# Altium PCB LJ_Mosfet_Power.PcbDoc (part 3 of 5)
Units mm, origin at the board's own origin, x right, y up, seen from the top; angles counter-clockwise.
Board outline 152.51 x 130.13 mm, 2 copper layers (Top Layer, Bottom Layer); 337 components, 193 nets, 1586 pads, 1491 vias.
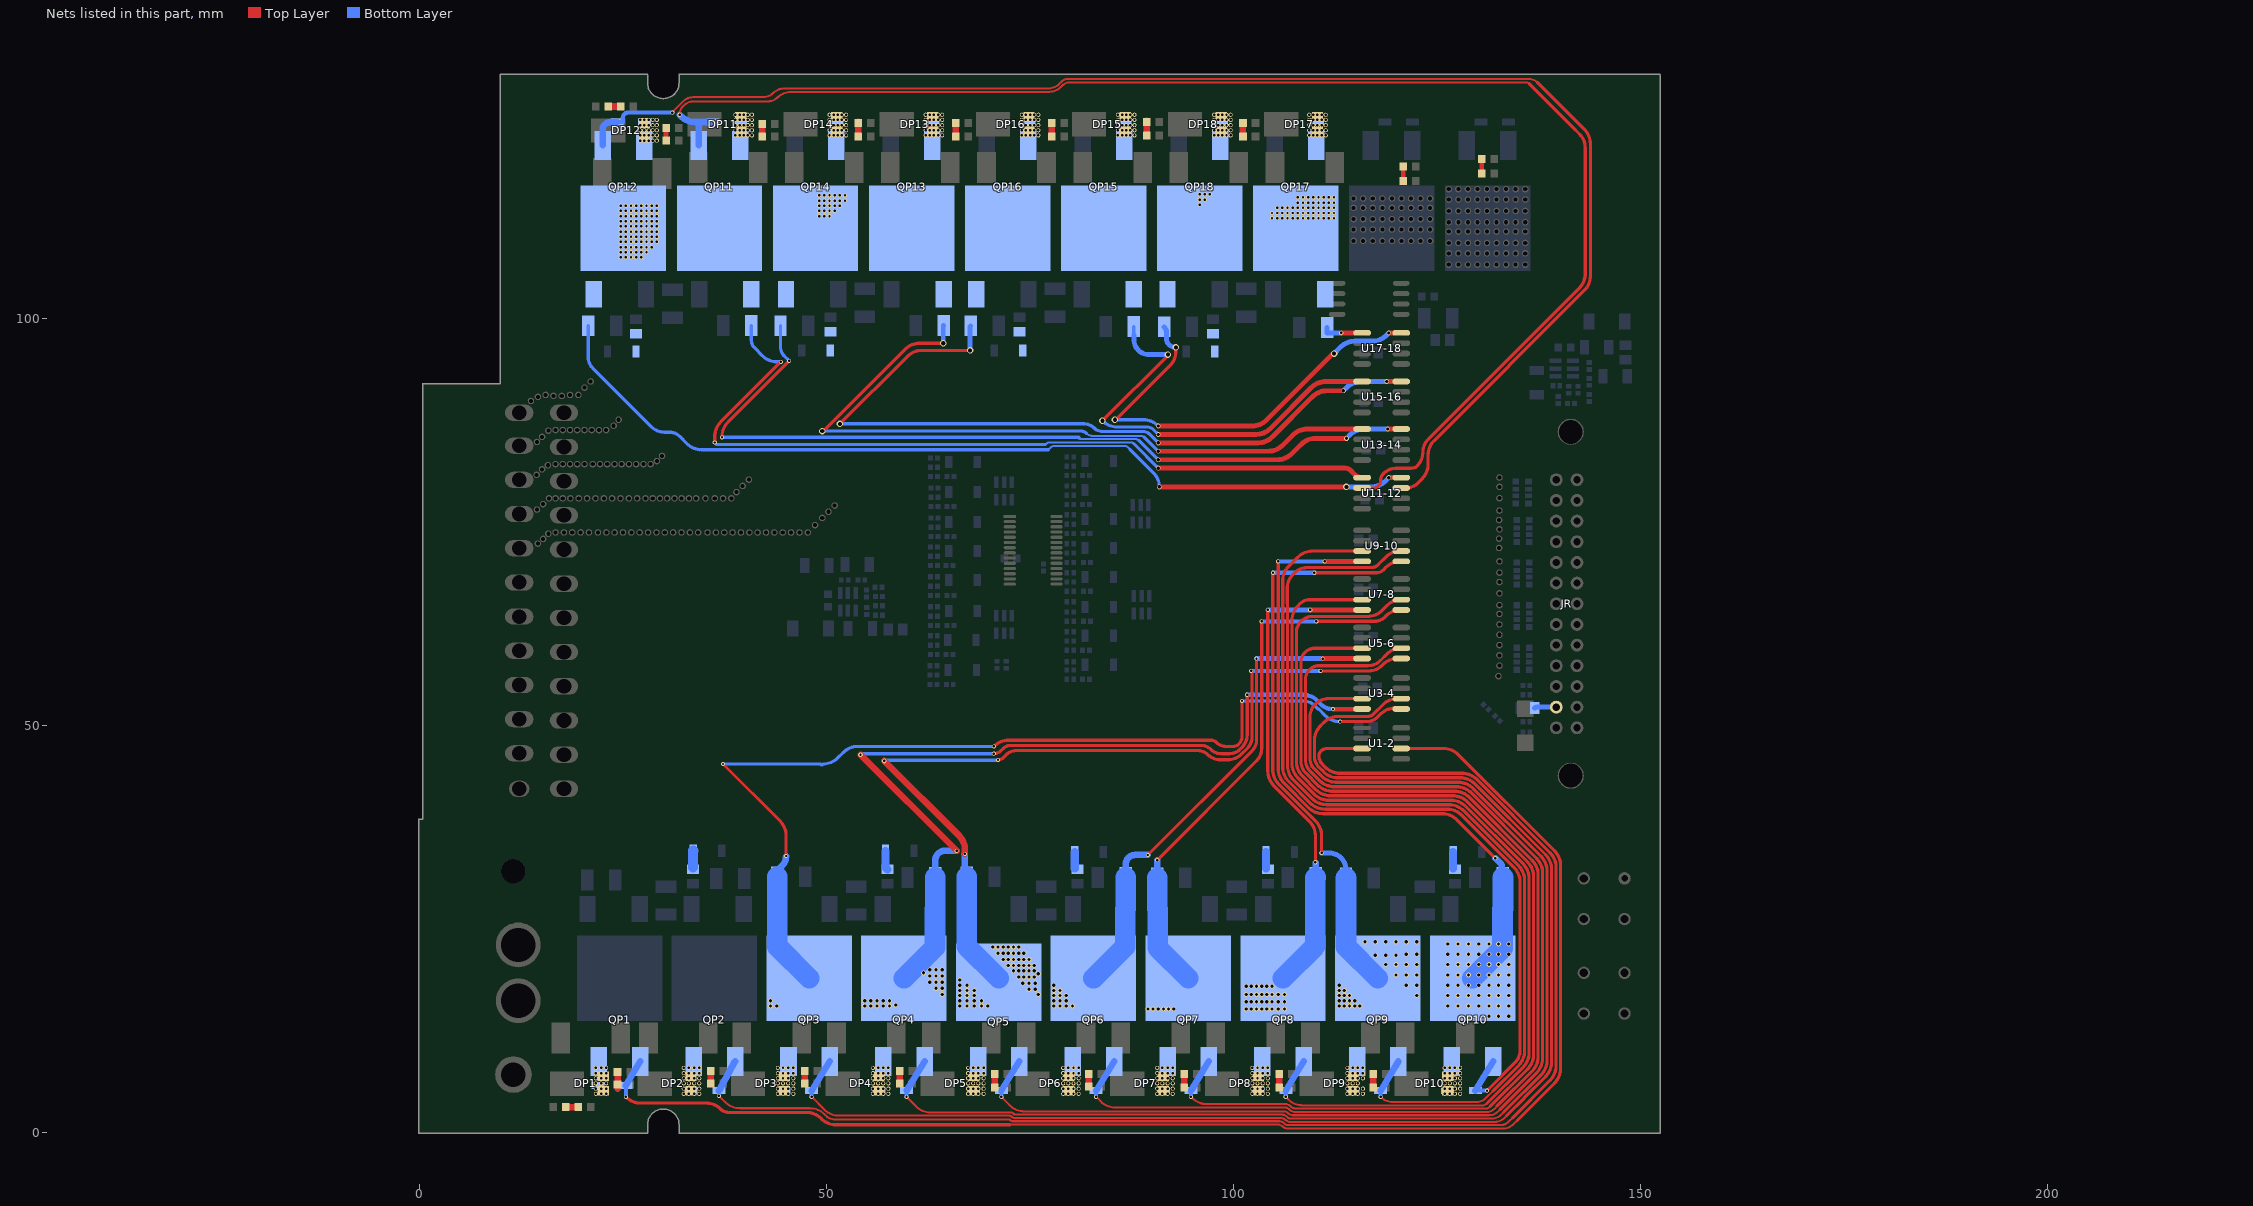
[diagram p3: the nets of this part, all layers, seen from the top]

## Via types
v1: diameter 0.5, hole 0.3, Top Layer to Bottom Layer, tented both sides, 758 vias
v2: diameter 0.6, hole 0.4, Top Layer to Bottom Layer, tented both sides, 698 vias
v3: diameter 0.8, hole 0.5, Top Layer to Bottom Layer, tented both sides, 22 vias
v4: diameter 0.6, hole 0.43, Top Layer to Bottom Layer, tented both sides, 8 vias
v5: diameter 0.5, hole 0.3, Top Layer to Bottom Layer, 3 vias
v6: diameter 0.6, hole 0.3, Top Layer to Bottom Layer, tented both sides, 2 vias

## Nets (pads, with @x,y where several pads share a name; then routed paths per layer and width w, separated by ;. In a path a pad name is that pad's centre, name@x,y a point inside that pad or via, vN(x,y) a via of type N, cw(c..) or ccw(c..) an arc to the next point about the centre after c; other vN are vias at no path point) (continued)
NetCQ3_1: CQ3.1 QP3.2 RQ3.1 U3-4.1 | length 122.2
  Top Layer w0.4: v1(37.338,45.323) 44.341,38.32 cw(c42.545,36.524) 45.085,36.524 v1(45.085,34.02) ; v1(70.612,47.482) 70.63,47.5 cw(c72.426,45.704) 72.426,48.244 97.304,48.244 cw(c97.304,47.377) 97.917,47.99 ccw(c99.143,49.216) 99.143,47.482 100.008,47.482 ccw(c100.008,48.477) 100.711,47.773 ; 100.711,47.774 ccw(c99.791,48.693) 101.092,48.693 v1(101.092,53.07) ; v1(113.157,50.53) 113.174,50.547 116.459,50.547 ccw(c116.459,52.332) 117.721,51.07 118.088,51.437 cw(c119.884,49.641) 118.13,51.478 cw(c119.884,49.641) 119.884,52.181 U3-4.1@120.555,52.181
  Bottom Layer w0.4: v1(37.338,45.323) 49.367,45.323 49.494,45.196 49.621,45.323 ccw(c49.621,47.863) 51.417,46.067 52.088,46.738 cw(c53.884,44.942) 53.617,47.468 cw(c53.884,44.942) 53.884,47.482 v1(70.612,47.482) ; v1(101.092,53.07) 108.585,53.07 cw(c108.585,50.914) 110.11,52.438 110.473,52.075 ; 110.49,52.092 111.308,51.274 ccw(c113.104,53.07) 113.104,50.53 v1(113.157,50.53)
  Bottom Layer w0.8: CQ3.1@44.018,31.455 44.018,32.242 44.582,32.806 ccw(c43.368,34.02) v1(45.085,34.02)
  Bottom Layer w2.54: CQ3.1@44.018,31.455 RQ3.1@44.019,27.487 44.019,22.903 QP3.2@47.921,19
  other v2: 43.18,15.605 43.942,15.605 43.18,16.24
NetCQ4_1: CQ4.1 QP4.2 RQ4.2 U3-4.8 | length 105.1
  Top Layer w0.4: v1(70.612,46.593) ccw(c70.612,47.819) 71.479,46.952 71.755,47.228 cw(c72.675,46.308) 72.675,47.609 96.056,47.609 cw(c96.056,45.875) 97.282,47.101 ccw(c98.508,48.327) 98.508,46.593 99.567,46.593 ccw(c99.567,48.391) 100.837,47.119 ccw(c99.567,48.391) 100.838,47.12 101.112,47.393 ccw(c99.626,48.879) 101.727,48.879 v1(101.727,53.832)
  Top Layer w0.6: v1(112.268,52.054) 115.773,52.054 ccw(c115.773,52.162) U3-4.8@115.85,52.086
  Top Layer w0.8: v6(54.229,46.466) v1(66.04,34.655)
  Bottom Layer w0.4: v6(54.229,46.466) 54.356,46.593 v1(70.612,46.593)
  Bottom Layer w0.5: v1(101.727,53.832) 108.613,53.832 cw(c108.613,51.447) 110.299,53.134 110.75,52.683 ccw(c112.268,54.2) v1(112.268,52.054)
  Bottom Layer w0.8: CQ4.1@63.424,31.378 63.424,33.484 cw(c64.595,33.484) 63.767,34.312 cw(c64.595,33.484) 64.595,34.655 v1(66.04,34.655)
  Bottom Layer w2.54: QP4.2@59.563,19 63.373,22.81 RQ4.2@63.373,27.487 63.424,27.538 CQ4.1@63.424,31.378
  other v2: 54.737,15.605 55.499,15.605 56.261,15.605 57.023,15.605 57.785,15.605 58.547,15.732 54.737,16.24 55.499,16.24 56.261,16.24 57.023,16.24 57.785,16.24 64.262,17.002 63.5,17.764 64.262,17.764 62.738,18.526 63.5,18.526 64.262,18.526 62.738,19.288 63.5,19.288 64.262,19.288 61.976,19.669 62.738,20.05 63.5,20.05 64.262,20.05
NetCQ5_1: CQ5.1 QP5.2 RQ5.1 U5-6.1 | length 106.8
  Top Layer w0.4: v1(71.12,45.831) ccw(c71.12,46.751) 71.77,46.1 72.136,46.466 cw(c73.362,45.24) 73.362,46.974 95.675,46.974 cw(c95.675,45.24) 96.901,46.466 ccw(c98.434,47.999) 98.434,45.831 99.278,45.831 ccw(c99.278,48.371) 101.074,46.575 101.727,47.228 ccw(c100.274,48.681) 102.329,48.681 102.329,56.626 v1(102.202,56.753) v1@102.202,56.786 ; v1(110.744,56.753) 116.704,56.753 ccw(c116.704,58.921) 118.237,57.388 118.382,57.533 cw(c120.178,55.737) 120.178,58.277 U5-6.1@120.65,58.277
  Top Layer w0.8: v6(57.15,45.704) 66.312,36.542 cw(c64.516,34.746) 67.056,34.746 v1(67.056,34.274)
  Bottom Layer w0.4: v6(57.15,45.704) 57.233,45.787 71.076,45.787 v1(71.12,45.831)
  Bottom Layer w0.5: v1(102.202,56.753) v1(110.744,56.753)
  Bottom Layer w0.8: v1(67.056,34.274) 67.056,31.658 CQ5.1@67.259,31.455
  Bottom Layer w2.54: CQ5.1@67.259,31.455 RQ5.1@67.26,27.487 67.26,22.945 QP5.2@71.205,19
  other v2: 66.421,15.605 67.31,15.605 68.199,15.605 69.088,15.605 69.85,15.605 66.421,16.24 67.31,16.24 68.199,16.24 69.088,16.24 66.421,16.875 67.31,16.875 68.199,16.875 76.073,17.002 66.421,17.51 67.31,17.51 68.199,17.51 74.93,17.637 75.692,17.637 66.421,18.145 67.31,18.145 74.168,18.399 74.93,18.399 75.692,18.399 66.421,18.78 73.66,19.161 74.295,19.161 74.93,19.161 75.565,19.161 76.073,19.542 73.025,19.923 73.66,19.923 74.295,19.923 74.93,19.923 75.565,19.923 72.39,20.558 73.025,20.558 73.66,20.558 74.295,20.558 74.93,20.558 75.565,20.558 71.755,21.32 72.39,21.32 73.025,21.32 73.66,21.32 74.295,21.32 74.93,21.32 71.12,22.082 71.755,22.082 72.39,22.082 73.025,22.082 73.66,22.082 74.295,22.082 70.485,22.844 71.12,22.844 71.755,22.844 72.39,22.844 73.025,22.844 73.66,22.844
NetCQ6_1: CQ6.1 QP6.2 RQ6.2 U5-6.8 | length 61.7
  Top Layer w0.4: v1(89.535,34.147) 102.362,46.974 ccw(c101.109,48.227) 102.881,48.227 102.881,58.266 v1(102.87,58.277)
  Top Layer w0.6: v1(110.998,58.277) 112.776,58.277 U5-6.8@115.85,58.277
  Bottom Layer w0.254: v1(110.998,58.277) v1@111.125,58.277
  Bottom Layer w0.6: v1(102.87,58.277) v1(110.998,58.277)
  Bottom Layer w0.8: CQ6.1@86.792,31.378 86.792,32.994 cw(c87.919,32.994) 87.122,33.791 cw(c87.98,32.933) 87.98,34.147 v1(89.535,34.147)
  Bottom Layer w2.54: QP6.2@82.846,19 86.741,22.895 RQ6.2@86.741,27.487 86.792,27.538 CQ6.1@86.792,31.378
  other v2: 77.978,15.605 78.74,15.605 79.502,15.605 80.264,15.605 77.978,16.24 78.74,16.24 79.502,16.24 77.978,16.875 78.74,16.875 79.502,16.875 77.978,17.51 78.74,17.51 77.978,18.145
NetCQ7_1: CQ7.1 QP7.2 RQ7.1 U7-8.1 | length 68.2
  Top Layer w0.4: v1(90.678,33.512) 102.876,45.71 ; 102.877,45.711 ccw(c101.359,47.228) 103.505,47.228 v1(103.505,62.849) ; v1(110.236,62.849) 117.392,62.849 ccw(c117.392,64.583) 118.618,63.357 118.763,63.502 cw(c120.559,61.706) 120.559,64.246 U7-8.1@120.65,64.246
  Bottom Layer w0.5: v1(103.505,62.849) v1(110.236,62.849)
  Bottom Layer w0.8: CQ7.1@90.678,31.353 v1(90.678,33.512)
  Bottom Layer w2.54: CQ7.1@90.678,31.353 90.678,27.564 RQ7.1@90.755,27.487 90.755,22.734 QP7.2@94.488,19
  other v2: 89.535,15.224 90.17,15.224 90.805,15.224 91.44,15.224 92.075,15.224 92.71,15.224
NetCQ8_1: CQ8.1 QP8.2 RQ8.2 U7-8.8 | length 60.7
  Top Layer w0.4: v1(104.267,64.246) 104.267,44.448 ccw(c106.807,44.448) 105.011,42.652 109.365,38.298 cw(c107.569,36.502) 110.109,36.502 v1(110.109,33.258)
  Top Layer w0.6: v1(109.474,64.246) U7-8.8@115.85,64.246
  Bottom Layer w0.254: v1(110.109,33.258) v1@110.16,33.207
  Bottom Layer w0.6: v1(104.267,64.246) v1(109.474,64.246)
  Bottom Layer w0.8: CQ8.1@110.16,31.378 v1@110.16,33.207
  Bottom Layer w2.54: QP8.2@106.13,19 110.109,22.979 RQ8.2@110.109,27.487 110.109,31.327 CQ8.1@110.16,31.378
  other v2: 101.6,15.224 102.235,15.224 102.87,15.224 103.505,15.224 104.14,15.224 104.775,15.224 105.537,15.224 106.299,15.224 101.6,16.113 102.235,16.113 102.87,16.113 103.505,16.113 104.14,16.113 104.775,16.113 105.537,16.113 106.299,16.113 101.6,17.002 102.235,17.002 102.87,17.002 103.505,17.002 104.14,17.002 104.775,17.002 105.537,17.002 106.299,17.002 101.6,18.018 102.235,18.018 102.87,18.018 103.505,18.018 104.14,18.018 104.775,18.018
NetCQ9_1: CQ9.1 QP9.2 RQ9.1 U9-10.1 | length 72
  Top Layer w0.4: v1(104.902,68.818) 104.869,68.785 104.869,44.627 ccw(c107.409,44.627) 105.613,42.831 110.127,38.316 cw(c108.331,36.52) 110.871,36.52 v1(110.871,34.401) ; v1(109.982,68.818) 117.571,68.818 ccw(c117.571,70.119) 118.491,69.199 118.763,69.471 cw(c120.559,67.675) 120.556,70.215 cw(c120.559,67.675) 120.559,70.215 U9-10.1@120.65,70.215
  Bottom Layer w0.5: v1(104.902,68.818) v1(109.982,68.818)
  Bottom Layer w0.6: v1(110.871,34.401) 111.787,34.401 cw(c111.787,32.32) 113.258,33.792 ; 113.259,33.791 cw(c111.787,32.32) 113.868,32.32 CQ9.1@113.868,31.328
  Bottom Layer w2.54: CQ9.1@113.868,31.328 RQ9.1@113.869,27.487 113.869,22.903 QP9.2@117.771,19
  other v2: 113.03,15.605 113.665,15.605 114.3,15.605 114.935,15.605 115.57,15.605 113.03,16.24 113.665,16.24 114.3,16.24 114.935,16.24 113.03,16.875 113.665,16.875 114.3,16.875 122.555,16.875 113.03,17.51 113.665,17.51 113.03,18.145 121.285,18.145 122.555,18.145 120.015,19.415 121.285,19.415 122.555,19.415 118.745,20.685 120.015,20.685 121.285,20.685 122.555,20.685 117.475,21.828 118.745,21.828 120.015,21.828 121.285,21.955 122.555,21.955 116.205,23.479 117.475,23.479 118.745,23.479 120.015,23.479 121.285,23.479 122.555,23.479
NetCQ10_1: CQ10.1 QP10.2 RQ10.2 U9-10.8 | length 84
  Top Layer w0.4: v1(105.537,70.215) 105.537,44.739 ccw(c108.077,44.739) 106.281,42.943 109.263,39.961 ccw(c111.059,41.757) 111.059,39.217 125.704,39.217 cw(c125.704,36.677) 127.5,38.473 v1(132.207,33.766)
  Top Layer w0.6: v1(111.252,70.215) U9-10.8@115.85,70.215
  Bottom Layer w0.5: v1(105.537,70.215) v1(111.252,70.215)
  Bottom Layer w0.8: v1(132.207,33.766) 132.842,33.131 cw(c132.42,32.709) 133.017,32.709 133.017,31.432 ccw(c133.147,31.562) CQ10.1@133.147,31.378
  Bottom Layer w2.54: QP10.2@129.413,19 133.096,22.683 RQ10.2@133.096,27.492 133.147,27.543 CQ10.1@133.147,31.378
  other v2: 131.445,14.335 132.588,14.335 133.858,14.335 126.365,15.605 127.635,15.605 128.905,15.605 130.175,15.605 131.445,15.605 132.588,15.605 133.858,15.605 126.365,16.875 127.635,16.875 128.905,16.875 130.175,16.875 131.445,16.875 132.588,16.875 133.858,16.875 126.365,18.145 127.635,18.145 128.905,18.145 130.175,18.145 131.445,18.145 132.588,18.145 133.858,18.145 126.365,19.415 127.635,19.415 128.905,19.415 130.175,19.415 131.445,19.415 132.588,19.415 133.858,19.415 126.365,20.685 127.635,20.685 128.905,20.685 130.175,20.685 131.445,20.685 132.588,20.685 133.858,20.685 126.365,21.955 127.635,21.955 128.905,21.955 130.175,21.955 131.445,21.955 132.588,21.955 133.858,21.955 126.365,23.225 127.635,23.225 128.905,23.225 130.175,23.225 131.445,23.225 132.588,23.225 133.858,23.225
NetCQ11_1: CQ11.1 QP11.2 RQ11.1 U11-12.1 | length 101.3
  Top Layer w0.4: v1(36.322,84.82) 36.322,85.546 cw(c38.862,85.546) 37.066,87.342 v1(44.45,94.726)
  Top Layer w0.6: v4(90.805,81.666) 113.763,81.666 cw(c113.763,80.727) 114.427,81.391 114.938,80.88 ccw(c115.85,81.791) 115.847,80.502 ccw(c115.85,81.791) U11-12.1@115.85,80.502
  Bottom Layer w0.254: 76.962,84.566 77.089,84.693 cw(c77.396,84.386) 77.396,84.82 87.471,84.82 cw(c87.471,84.386) 87.778,84.693
  Bottom Layer w0.4: v1(36.322,84.82) 36.576,84.566 76.962,84.566 ; CQ11.1@40.818,99.196 40.818,97.393 ccw(c42.167,97.393) 41.213,96.439 42.182,95.47 ccw(c43.978,97.266) 43.978,94.726 v1(44.45,94.726) ; 87.778,84.693 v4(90.805,81.666)
NetCQ12_1: CQ12.1 QP12.2 RQ12.2 U11-12.8 | length 111.6
  Top Layer w0.6: v4(90.932,79.359) v3(113.919,79.359) ; v2(119.126,80.502) U11-12.8@120.65,80.502
  Bottom Layer w0.254: 77.301,83.931 77.576,84.206 ; 77.576,84.207 cw(c78.068,83.714) 78.068,84.41 86.614,84.41 cw(c86.614,83.727) 87.097,84.21 87.376,83.931
  Bottom Layer w0.4: CQ12.1@20.777,99.146 20.777,95.313 ccw(c22.685,95.313) 21.336,93.964 28.581,86.719 ; 28.582,86.718 ccw(c30.099,88.236) 29.086,86.344 ccw(c30.099,88.236) 30.099,86.09 30.778,86.09 cw(c30.778,84.356) 32.004,85.582 32.911,84.675 ccw(c34.707,86.471) 34.707,83.931 77.301,83.931 ; 87.376,83.931 90.214,81.093 cw(c88.479,79.359) v4(90.932,79.359)
  Bottom Layer w0.6: v3(113.919,79.359) 116.931,79.359 ccw(c116.931,81.899) 118.727,80.103 v2(119.126,80.502)
  other v1: 24.765,107.553 25.4,107.553 26.035,107.553 26.67,107.553 27.305,107.553 24.765,108.188 25.4,108.188 26.035,108.188 26.67,108.188 27.305,108.188 27.94,108.188 24.765,108.823 25.4,108.823 26.035,108.823 26.67,108.823 27.305,108.823 27.94,108.823 28.575,108.823 24.765,109.458 25.4,109.458 26.035,109.458 26.67,109.458 27.305,109.458 27.94,109.458 28.575,109.458 29.21,109.458 24.765,110.093 25.4,110.093 26.035,110.093 26.67,110.093 27.305,110.093 27.94,110.093 28.575,110.093 29.21,110.093 24.765,110.728 25.4,110.728 26.035,110.728 26.67,110.728 27.305,110.728 27.94,110.728 28.575,110.728 29.21,110.728 24.765,111.363 25.4,111.363 26.035,111.363 26.67,111.363 27.305,111.363 27.94,111.363 28.575,111.363 29.21,111.363 24.765,111.998 25.4,111.998 26.035,111.998 26.67,111.998 27.305,111.998 27.94,111.998 28.575,111.998 29.21,111.998 24.765,112.633 25.4,112.633 26.035,112.633 26.67,112.633 27.305,112.633 27.94,112.633 28.575,112.633 29.21,112.633 24.765,113.268 25.4,113.268 26.035,113.268 26.67,113.268 27.305,113.268 27.94,113.268 28.575,113.268 29.21,113.268 24.765,113.903 25.4,113.903 26.035,113.903 26.67,113.903 27.305,113.903 27.94,113.903 28.575,113.903 29.21,113.903
NetCQ13_1: CQ13.1 QP13.2 RQ13.1 U13-14.1 | length 89.6
  Top Layer w0.4: v3(49.53,86.217) 49.657,86.217 59.708,96.268 cw(c61.504,94.472) 61.504,97.012 v3(64.389,97.012)
  Top Layer w0.6: v2(90.805,83.739) 104.293,83.739 ccw(c104.293,86.279) 106.089,84.483 107.333,85.727 cw(c109.129,83.931) 109.129,86.471 U13-14.1@115.85,86.471
  Bottom Layer w0.254: 81.967,85.961 ccw(c82.761,86.755) 82.761,85.632 88.662,85.632 cw(c88.662,85.028) 89.089,85.455
  Bottom Layer w0.4: v3(49.53,86.217) 81.349,86.217 cw(c81.349,85.343) 81.966,85.962 ; 89.089,85.455 v2(90.805,83.739)
  Bottom Layer w0.6: v3(64.389,97.012) 64.389,99.146 CQ13.1@64.44,99.196
NetCQ14_1: CQ14.1 QP14.2 RQ14.2 U13-14.8 | length 103.2
  Top Layer w0.4: v1(37.211,85.455) 37.211,85.546 cw(c39.751,85.546) 37.955,87.342 v1(45.466,94.853)
  Top Layer w0.6: v4(90.805,82.703) 105.416,82.703 ccw(c105.416,85.243) 107.212,83.447 108.349,84.584 cw(c110.145,82.788) 110.145,85.328 v2(113.919,85.328) ; v2(118.999,86.471) U13-14.8@120.65,86.471
  Bottom Layer w0.254: 81.182,85.299 81.255,85.226 88.067,85.226 cw(c88.067,84.707) 88.434,85.074
  Bottom Layer w0.4: v1(37.211,85.455) 81.026,85.455 81.182,85.299 ; CQ14.1@44.399,99.146 44.399,96.53 ccw(c45.873,96.53) 44.83,95.489 ; 44.831,95.488 v1(45.466,94.853) ; 88.434,85.074 v4(90.805,82.703)
  Bottom Layer w0.6: v2(113.919,85.328) 114.318,85.727 cw(c116.114,83.931) 116.114,86.471 v2(118.999,86.471)
  other v1: 49.149,112.633 49.784,112.633 50.419,112.633 49.149,113.268 49.784,113.268 50.419,113.268 51.054,113.268 49.149,113.903 49.784,113.903 50.419,113.903 51.054,113.903 51.689,113.903 49.149,114.538 49.784,114.538 50.419,114.538 51.054,114.538 51.689,114.538 52.324,114.538 49.149,115.173 49.784,115.173 50.419,115.173 51.054,115.173 51.689,115.173 52.324,115.173
NetCQ15_1: CQ15.1 QP15.2 RQ15.1 U15-16.1 | length 53.3
  Top Layer w0.4: v3(83.947,87.487) 92.075,95.615 v3(91.984,95.615)
  Top Layer w0.6: v2(90.805,85.813) 102.811,85.813 ccw(c102.811,88.353) 104.607,86.557 109.619,91.569 cw(c111.415,89.773) 111.415,92.313 U15-16.1@115.85,92.313
  Bottom Layer w0.4: v3(83.947,87.487) 83.965,87.469 ccw(c85.761,89.265) 85.761,86.725 89.427,86.725 cw(c89.427,85.6) 90.223,86.396 v2(90.805,85.813) ; CQ15.1@87.808,98.028 CQ15.1@87.808,99.069
  Bottom Layer w0.6: CQ15.1@87.808,98.028 87.808,97.493 ccw(c89.705,97.493) 88.362,96.153 ccw(c89.705,97.493) 88.364,96.151 ccw(c89.66,97.449) 89.66,95.615 v3(91.984,95.615)
NetCQ16_1: CQ16.1 QP16.2 RQ16.2 U15-16.8 | length 95.2
  Top Layer w0.4: v3(51.689,87.106) 59.962,95.379 cw(c61.758,93.583) 61.758,96.123 v3(67.691,96.123)
  Top Layer w0.6: v2(90.805,84.776) 103.044,84.776 ccw(c103.044,87.316) 104.84,85.52 109.746,90.426 cw(c111.542,88.63) 111.542,91.17 v2(113.538,91.17) ; v2(118.872,92.313) U15-16.8@120.65,92.313
  Bottom Layer w0.4: v3(51.689,87.106) 81.705,87.106 cw(c81.705,85.372) 82.931,86.598 ; 82.932,86.597 ccw(c83.957,87.624) 83.957,86.173 88.9,86.173 cw(c88.9,84.946) 89.768,85.814 v2(90.805,84.776)
  Bottom Layer w0.6: v3(67.691,96.123) 67.691,99.069 CQ16.1@67.767,99.146 ; v2(113.538,91.17) 113.937,91.569 cw(c115.733,89.773) 115.733,92.313 v2(118.872,92.313)
NetCQ17_1: CQ17.1 QP17.2 RQ17.1 U17-18.1 | length 5
  Top Layer w0.6: v1(113.284,98.282) U17-18.1@115.85,98.282
  Bottom Layer w0.6: CQ17.1@111.557,98.942 111.557,98.282 v1(113.284,98.282)
  other v1: 104.775,112.379 105.41,112.379 106.045,112.379 106.68,112.379 107.315,112.379 107.95,112.379 108.585,112.379 109.22,112.379 109.855,112.379 110.49,112.379 111.125,112.379 111.76,112.379 112.395,112.379 104.775,113.014 105.41,113.014 106.045,113.014 106.68,113.014 107.315,113.014 107.95,113.014 108.585,113.014 109.22,113.014 109.855,113.014 110.49,113.014 111.125,113.014 111.76,113.014 112.395,113.014 105.41,113.649 106.045,113.649 106.68,113.649 107.315,113.649 107.95,113.649 108.585,113.649 109.22,113.649 109.855,113.649 110.49,113.649 111.125,113.649 111.76,113.649 112.395,113.649 107.95,114.284 108.585,114.284 109.22,114.284 109.855,114.284 110.49,114.284 111.125,114.284 111.76,114.284 112.395,114.284 107.95,114.919 108.585,114.919 109.22,114.919 109.855,114.919 110.49,114.919 111.125,114.919 111.76,114.919 112.395,114.919
NetCQ18_1: CQ18.1 QP18.2 RQ18.2 U17-18.8 | length 55.6
  Top Layer w0.4: v3(85.471,87.614) 85.598,87.614 92.22,94.236 ccw(c90.424,96.032) 92.964,96.032 v3(92.964,96.504)
  Top Layer w0.6: v2(90.807,86.85) 102.324,86.85 ccw(c102.324,89.39) 104.12,87.594 112.178,95.652 cw(c112.395,95.435) v3(112.395,95.742) ; v2(119.126,98.282) U17-18.8@120.65,98.282
  Bottom Layer w0.4: v3(85.471,87.614) 88.991,87.614 cw(c88.991,85.074) 90.787,86.87 v2(90.807,86.85) ; CQ18.1@91.516,99.019 CQ18.1@91.948,98.587
  Bottom Layer w0.6: CQ18.1@91.516,99.019 cw(c90.78,98.283) 91.821,98.283 91.821,97.52 ccw(c92.741,97.52) 92.089,96.871 ccw(c92.741,97.52) 92.09,96.87 92.097,96.863 ccw(c92.964,97.73) v3(92.964,96.504) ; v3(112.395,95.742) 113.175,96.522 cw(c114.971,94.726) 114.971,97.266 117.058,97.266 ccw(c117.058,99.806) 118.854,98.01 v2(119.126,98.282)
  other v1: 95.885,114.03 95.885,114.665 96.52,114.665 95.885,115.3 96.52,115.3 97.155,115.3
NetD1-2_2: D1-2.2 R1-2.2 | length 2
  Bottom Layer w1.27: R1-2.2@33.655,32.623 33.655,34.627 D1-2.2@33.683,34.655
NetD3-4_2: D3-4.2 R3-4.2 | length 2.4
  Bottom Layer w1: D3-4.2@57.305,34.655 57.305,32.596 R3-4.2@57.531,32.37
NetD5-6_2: D5-6.2 R5-6.2 | length 2.1
  Bottom Layer w1: R5-6.2@80.546,32.469 D5-6.2@80.546,34.528
NetD7-8_2: D7-8.2 R7-8.2 | length 2.1
  Bottom Layer w1: R7-8.2@104.041,32.469 D7-8.2@104.041,34.528
NetD9-10_2: D9-10.2 R9-10.2 | length 2.1
  Bottom Layer w1: R9-10.2@127.028,32.469 D9-10.2@127.028,34.528
NetD11-12_2: D11-12.2 R11-12.2
NetD13-14_2: D13-14.2 R13-14.2
NetD15-16_2: D15-16.2 R15-16.2
NetD17-18_2: D17-18.2 R17-18.2
NetDP1_1: DP1.1 pad.2@21.717,4.81 pad.2@21.717,5.445 pad.2@21.717,6.08 pad.2@21.717,6.715 pad.2@21.717,7.35 pad.2@21.717,7.985 pad.2@22.352,4.81 pad.2@22.352,5.445 pad.2@22.352,6.08 pad.2@22.352,6.715 pad.2@22.352,7.35 pad.2@22.352,7.985 pad.2@22.987,4.81 pad.2@22.987,5.445 pad.2@22.987,6.08 pad.2@22.987,6.715 pad.2@22.987,7.35 pad.2@22.987,7.985 QP1.3 ZD1.1
NetDP2_1: DP2.1 pad.2@32.512,4.81 pad.2@32.512,5.445 pad.2@32.512,6.08 pad.2@32.512,6.715 pad.2@32.512,7.35 pad.2@32.512,7.985 pad.2@33.147,4.81 pad.2@33.147,5.445 pad.2@33.147,6.08 pad.2@33.147,6.715 pad.2@33.147,7.35 pad.2@33.147,7.985 pad.2@33.782,4.81 pad.2@33.782,5.445 pad.2@33.782,6.08 pad.2@33.782,6.715 pad.2@33.782,7.35 pad.2@33.782,7.985 pad.2@34.417,4.81 pad.2@34.417,5.445 pad.2@34.417,6.08 pad.2@34.417,6.715 pad.2@34.417,7.35 pad.2@34.417,7.985 QP2.3 ZD2.1
NetDP3_1: DP3.1 pad.2@44.069,4.81 pad.2@44.069,5.445 pad.2@44.069,6.08 pad.2@44.069,6.715 pad.2@44.069,7.35 pad.2@44.069,7.985 pad.2@44.704,4.81 pad.2@44.704,5.445 pad.2@44.704,6.08 pad.2@44.704,6.715 pad.2@44.704,7.35 pad.2@44.704,7.985 pad.2@45.339,4.81 pad.2@45.339,5.445 pad.2@45.339,6.08 pad.2@45.339,6.715 pad.2@45.339,7.35 pad.2@45.339,7.985 pad.2@45.974,4.81 pad.2@45.974,5.445 pad.2@45.974,6.08 pad.2@45.974,6.715 pad.2@45.974,7.35 pad.2@45.974,7.985 QP3.3 ZD3.1
NetDP4_1: DP4.1 pad.2@55.753,4.81 pad.2@55.753,5.445 pad.2@55.753,6.08 pad.2@55.753,6.715 pad.2@55.753,7.35 pad.2@55.753,7.985 pad.2@56.388,4.81 pad.2@56.388,5.445 pad.2@56.388,6.08 pad.2@56.388,6.715 pad.2@56.388,7.35 pad.2@56.388,7.985 pad.2@57.023,4.81 pad.2@57.023,5.445 pad.2@57.023,6.08 pad.2@57.023,6.715 pad.2@57.023,7.35 pad.2@57.023,7.985 pad.2@57.658,4.81 pad.2@57.658,5.445 pad.2@57.658,6.08 pad.2@57.658,6.715 pad.2@57.658,7.35 pad.2@57.658,7.985 QP4.3 ZD4.1
NetDP5_1: DP5.1 pad.2@67.437,4.81 pad.2@67.437,5.445 pad.2@67.437,6.08 pad.2@67.437,6.715 pad.2@67.437,7.35 pad.2@67.437,7.985 pad.2@68.072,4.81 pad.2@68.072,5.445 pad.2@68.072,6.08 pad.2@68.072,6.715 pad.2@68.072,7.35 pad.2@68.072,7.985 pad.2@68.707,4.81 pad.2@68.707,5.445 pad.2@68.707,6.08 pad.2@68.707,6.715 pad.2@68.707,7.35 pad.2@68.707,7.985 pad.2@69.342,4.81 pad.2@69.342,5.445 pad.2@69.342,6.08 pad.2@69.342,6.715 pad.2@69.342,7.35 pad.2@69.342,7.985 QP5.3 ZD5.1
NetDP6_1: DP6.1 pad.2@79.121,4.81 pad.2@79.121,5.445 pad.2@79.121,6.08 pad.2@79.121,6.715 pad.2@79.121,7.35 pad.2@79.121,7.985 pad.2@79.756,4.81 pad.2@79.756,5.445 pad.2@79.756,6.08 pad.2@79.756,6.715 pad.2@79.756,7.35 pad.2@79.756,7.985 pad.2@80.391,4.81 pad.2@80.391,5.445 pad.2@80.391,6.08 pad.2@80.391,6.715 pad.2@80.391,7.35 pad.2@80.391,7.985 pad.2@81.026,4.81 pad.2@81.026,5.445 pad.2@81.026,6.08 pad.2@81.026,6.715 pad.2@81.026,7.35 pad.2@81.026,7.985 QP6.3 ZD6.1
NetDP7_1: DP7.1 pad.2@90.678,4.81 pad.2@90.678,5.445 pad.2@90.678,6.08 pad.2@90.678,6.715 pad.2@90.678,7.35 pad.2@90.678,7.985 pad.2@91.313,4.81 pad.2@91.313,5.445 pad.2@91.313,6.08 pad.2@91.313,6.715 pad.2@91.313,7.35 pad.2@91.313,7.985 pad.2@91.948,4.81 pad.2@91.948,5.445 pad.2@91.948,6.08 pad.2@91.948,6.715 pad.2@91.948,7.35 pad.2@91.948,7.985 pad.2@92.583,4.81 pad.2@92.583,5.445 pad.2@92.583,6.08 pad.2@92.583,6.715 pad.2@92.583,7.35 pad.2@92.583,7.985 QP7.3 ZD7.1
NetDP8_1: DP8.1 pad.2@102.362,4.81 pad.2@102.362,5.445 pad.2@102.362,6.08 pad.2@102.362,6.715 pad.2@102.362,7.35 pad.2@102.362,7.985 pad.2@102.997,4.81 pad.2@102.997,5.445 pad.2@102.997,6.08 pad.2@102.997,6.715 pad.2@102.997,7.35 pad.2@102.997,7.985 pad.2@103.632,4.81 pad.2@103.632,5.445 pad.2@103.632,6.08 pad.2@103.632,6.715 pad.2@103.632,7.35 pad.2@103.632,7.985 pad.2@104.267,4.81 pad.2@104.267,5.445 pad.2@104.267,6.08 pad.2@104.267,6.715 pad.2@104.267,7.35 pad.2@104.267,7.985 QP8.3 ZD8.1
NetDP9_1: DP9.1 pad.2@114.046,4.81 pad.2@114.046,5.445 pad.2@114.046,6.08 pad.2@114.046,6.715 pad.2@114.046,7.35 pad.2@114.046,7.985 pad.2@114.681,4.81 pad.2@114.681,5.445 pad.2@114.681,6.08 pad.2@114.681,6.715 pad.2@114.681,7.35 pad.2@114.681,7.985 pad.2@115.316,4.81 pad.2@115.316,5.445 pad.2@115.316,6.08 pad.2@115.316,6.715 pad.2@115.316,7.35 pad.2@115.316,7.985 pad.2@115.951,4.81 pad.2@115.951,5.445 pad.2@115.951,6.715 pad.2@115.951,7.35 pad.2@115.951,7.985 QP9.3 ZD9.1
NetDP10_1: DP10.1 pad.2@125.984,4.81 pad.2@125.984,5.445 pad.2@125.984,6.08 pad.2@125.984,6.715 pad.2@125.984,7.35 pad.2@125.984,7.985 pad.2@126.619,4.81 pad.2@126.619,5.445 pad.2@126.619,6.08 pad.2@126.619,6.715 pad.2@126.619,7.35 pad.2@126.619,7.985 pad.2@127.254,4.81 pad.2@127.254,5.445 pad.2@127.254,6.08 pad.2@127.254,6.715 pad.2@127.254,7.35 pad.2@127.254,7.985 pad.2@127.889,4.81 pad.2@127.889,5.445 pad.2@127.889,6.08 pad.2@127.889,6.715 pad.2@127.889,7.35 pad.2@127.889,7.985 QP10.3 ZD10.1
NetDP11_1: DP11.1 pad.3@38.862,122.539 pad.3@38.862,123.174 pad.3@38.862,123.809 pad.3@38.862,124.444 pad.3@38.862,125.079 pad.3@39.37,122.539 pad.3@39.37,123.174 pad.3@39.37,123.809 pad.3@39.37,124.444 pad.3@39.37,125.079 pad.3@39.878,122.539 pad.3@39.878,123.174 pad.3@39.878,123.809 pad.3@39.878,124.444 pad.3@39.878,125.079 pad.3@40.386,122.539 pad.3@40.386,123.174 pad.3@40.386,123.809 pad.3@40.386,124.444 pad.3@40.386,125.079 pad.3@40.894,122.539 pad.3@40.894,123.174 pad.3@40.894,123.809 pad.3@40.894,124.444 pad.3@40.894,125.079 QP11.3 ZD11.1
NetDP12_1: DP12.1 pad.3@27.178,121.904 pad.3@27.178,122.539 pad.3@27.178,123.174 pad.3@27.178,123.809 pad.3@27.178,124.444 pad.3@27.686,121.904 pad.3@27.686,122.539 pad.3@27.686,123.174 pad.3@27.686,123.809 pad.3@27.686,124.444 pad.3@28.194,121.904 pad.3@28.194,122.539 pad.3@28.194,123.174 pad.3@28.194,123.809 pad.3@28.194,124.444 pad.3@28.702,121.904 pad.3@28.702,122.539 pad.3@28.702,123.174 pad.3@28.702,123.809 pad.3@28.702,124.444 pad.3@29.21,121.904 pad.3@29.21,122.539 pad.3@29.21,123.174 pad.3@29.21,123.809 pad.3@29.21,124.444 QP12.3 ZD12.1
NetDP13_1: DP13.1 pad.3@62.23,122.539 pad.3@62.23,123.174 pad.3@62.23,123.809 pad.3@62.23,124.444 pad.3@62.23,125.079 pad.3@62.738,122.539 pad.3@62.738,123.174 pad.3@62.738,123.809 pad.3@62.738,124.444 pad.3@62.738,125.079 pad.3@63.246,122.539 pad.3@63.246,123.174 pad.3@63.246,123.809 pad.3@63.246,124.444 pad.3@63.246,125.079 pad.3@63.754,122.539 pad.3@63.754,123.174 pad.3@63.754,123.809 pad.3@63.754,124.444 pad.3@63.754,125.079 pad.3@64.262,122.539 pad.3@64.262,123.174 pad.3@64.262,123.809 pad.3@64.262,124.444 pad.3@64.262,125.079 QP13.3 ZD13.1
NetDP14_1: DP14.1 pad.3@50.419,122.539 pad.3@50.419,123.174 pad.3@50.419,123.809 pad.3@50.419,124.444 pad.3@50.419,125.079 pad.3@50.927,122.539 pad.3@50.927,123.174 pad.3@50.927,123.809 pad.3@50.927,124.444 pad.3@50.927,125.079 pad.3@51.435,122.539 pad.3@51.435,123.174 pad.3@51.435,123.809 pad.3@51.435,124.444 pad.3@51.435,125.079 pad.3@51.943,122.539 pad.3@51.943,123.174 pad.3@51.943,123.809 pad.3@51.943,124.444 pad.3@51.943,125.079 pad.3@52.451,122.539 pad.3@52.451,123.174 pad.3@52.451,123.809 pad.3@52.451,124.444 pad.3@52.451,125.079 QP14.3 ZD14.1
NetDP15_1: DP15.1 pad.3@85.852,122.539 pad.3@85.852,123.174 pad.3@85.852,123.809 pad.3@85.852,124.444 pad.3@85.852,125.079 pad.3@86.36,122.539 pad.3@86.36,123.174 pad.3@86.36,123.809 pad.3@86.36,124.444 pad.3@86.36,125.079 pad.3@86.868,122.539 pad.3@86.868,123.174 pad.3@86.868,123.809 pad.3@86.868,124.444 pad.3@86.868,125.079 pad.3@87.376,122.539 pad.3@87.376,123.174 pad.3@87.376,123.809 pad.3@87.376,124.444 pad.3@87.376,125.079 pad.3@87.884,122.539 pad.3@87.884,123.174 pad.3@87.884,123.809 pad.3@87.884,124.444 pad.3@87.884,125.079 QP15.3 ZD15.1
NetDP16_1: DP16.1 pad.3@74.041,122.539 pad.3@74.041,123.174 pad.3@74.041,123.809 pad.3@74.041,124.444 pad.3@74.041,125.079 pad.3@74.549,122.539 pad.3@74.549,123.174 pad.3@74.549,123.809 pad.3@74.549,124.444 pad.3@74.549,125.079 pad.3@75.057,122.539 pad.3@75.057,123.174 pad.3@75.057,123.809 pad.3@75.057,124.444 pad.3@75.057,125.079 pad.3@75.565,122.539 pad.3@75.565,123.174 pad.3@75.565,123.809 pad.3@75.565,124.444 pad.3@75.565,125.079 pad.3@76.073,122.539 pad.3@76.073,123.174 pad.3@76.073,123.809 pad.3@76.073,124.444 pad.3@76.073,125.079 QP16.3 ZD16.1
NetDP17_1: DP17.1 pad.3@109.347,122.539 pad.3@109.347,123.174 pad.3@109.347,123.809 pad.3@109.347,124.444 pad.3@109.347,125.079 pad.3@109.855,122.539 pad.3@109.855,123.174 pad.3@109.855,123.809 pad.3@109.855,124.444 pad.3@109.855,125.079 pad.3@110.363,122.539 pad.3@110.363,123.174 pad.3@110.363,123.809 pad.3@110.363,124.444 pad.3@110.363,125.079 pad.3@110.871,122.539 pad.3@110.871,123.174 pad.3@110.871,123.809 pad.3@110.871,124.444 pad.3@110.871,125.079 pad.3@111.379,122.539 pad.3@111.379,123.174 pad.3@111.379,123.809 pad.3@111.379,124.444 pad.3@111.379,125.079 QP17.3 ZD17.1
NetDP18_1: DP18.1 pad.3@97.663,122.539 pad.3@97.663,123.174 pad.3@97.663,123.809 pad.3@97.663,124.444 pad.3@97.663,125.079 pad.3@98.171,122.539 pad.3@98.171,123.174 pad.3@98.171,123.809 pad.3@98.171,124.444 pad.3@98.171,125.079 pad.3@98.679,122.539 pad.3@98.679,123.174 pad.3@98.679,123.809 pad.3@98.679,124.444 pad.3@98.679,125.079 pad.3@99.187,122.539 pad.3@99.187,123.174 pad.3@99.187,123.809 pad.3@99.187,124.444 pad.3@99.187,125.079 pad.3@99.695,122.539 pad.3@99.695,123.174 pad.3@99.695,123.809 pad.3@99.695,124.444 pad.3@99.695,125.079 QP18.3 ZD18.1
NetJR_23: JR.23 R_J5V.2 | length 2.7
  Bottom Layer w0.6: R_J5V.2@137.034,52.181 cw(c137.341,51.874) 137.341,52.308 JR.23@139.7,52.308
NetLED_01_A: LED_01.A RL_01.1 | length 1.5
  Top Layer w0.8: RL_01.1@18.042,3.159 LED_01.A@19.55,3.159
NetLED_02_A: LED_02.A RL_02.1 | length 1.8
  Top Layer w0.8: 24.376,5.445 LED_02.A@24.376,7.223
NetLED_03_A: LED_03.A RL_03.1 | length 1.1
  Top Layer w0.8: RL_03.1@35.806,6.08 LED_03.A@35.806,7.223
NetLED_04_A: LED_04.A RL_04.1 | length 1.5
  Top Layer w0.8: RL_04.1@47.363,6.08 LED_04.A@47.363,7.604
NetLED_05_A: LED_05.A RL_05.1 | length 1.5
  Top Layer w0.8: RL_05.1@59.047,6.08 LED_05.A@59.047,7.604
NetLED_06_A: LED_06.A RL_06.1 | length 1.7
  Top Layer w0.8: RL_06.1@70.731,5.572 LED_06.A@70.731,7.223
NetLED_07_A: LED_07.A RL_07.1 | length 1.5
  Top Layer w0.8: RL_07.1@82.288,5.699 LED_07.A@82.288,7.223
NetLED_08_A: LED_08.A RL_08.1 | length 1.7
  Top Layer w0.8: RL_08.1@93.972,5.572 LED_08.A@93.972,7.223
NetLED_09_A: LED_09.A RL_09.1 | length 1.7
  Top Layer w0.8: RL_09.1@105.656,5.572 LED_09.A@105.656,7.223
NetLED_10_A: LED_10.A RL_10.1 | length 1.7
  Top Layer w0.8: RL_10.1@117.213,5.572 LED_10.A@117.213,7.223
NetLED_11_A: LED_11.A RL_11.1 | length 1.5
  Top Layer w0.6: LED_11.A@30.345,121.904 RL_11.1@30.345,123.428
NetLED_12_A: LED_12.A RL_12.1 | length 1.5
  Top Layer w0.8: RL_12.1@23.249,126.095 LED_12.A@24.757,126.095
NetLED_13_A: LED_13.A RL_13.1 | length 1.7
  Top Layer w0.8: LED_13.A@53.967,122.539 RL_13.1@53.967,124.063 RL_13.1@53.967,124.19
NetLED_14_A: LED_14.A RL_14.1 | length 1.4
  Top Layer w0.8: LED_14.A@42.156,122.539 RL_14.1@42.156,123.936
NetLED_15_A: LED_15.A RL_15.1 | length 1.4
  Top Layer w0.8: LED_15.A@77.716,122.666 RL_15.1@77.716,124.063
NetLED_16_A: LED_16.A RL_16.1 | length 1.4
  Top Layer w0.8: LED_16.A@65.905,122.666 RL_16.1@65.905,124.063
NetLED_17_A: LED_17.A RL_17.1 | length 1.4
  Top Layer w0.8: LED_17.A@101.211,122.666 RL_17.1@101.211,124.063
NetLED_18_A: LED_18.A RL_18.1 | length 1.7
  Top Layer w0.8: LED_18.A@89.4,122.666 RL_18.1@89.4,124.19 RL_18.1@89.4,124.317
NetLED_19_A: LED_19.A RL_19.1 | length 1.8
  Top Layer w0.6: RL_19.1@120.888,118.729 120.896,118.721 LED_19.A@120.896,116.951
NetLED_20_A: LED_20.A RL_20.1 | length 1.8
  Top Layer w0.6: LED_20.A@130.548,117.84 RL_20.1@130.548,119.618
NetQP1_1: QP1.1 U1-2.2 ZD1.2 | length 175.1
  Top Layer w0.254: 72.632,1.027 105.512,1.027 cw(c105.512,0.206) 106.092,0.787 ; 106.093,0.786 ccw(c106.673,1.367) 106.673,0.546 133.187,0.546 ccw(c133.187,2.297) 134.424,1.058 134.938,1.572
  Top Layer w0.4: v1(25.4,4.429) 25.418,4.411 ccw(c27.214,6.207) 27.214,3.667 35.27,3.667 cw(c35.27,1.127) 37.066,2.923 ccw(c38.029,3.886) 38.029,2.524 47.589,2.524 cw(c47.589,-0.016) 49.385,1.78 49.421,1.744 ccw(c51.217,3.54) 51.217,1 72.567,1 ccw(c72.567,1.092) 72.589,1.003 ; U1-2.2@120.65,47.228 125.862,47.228 cw(c125.862,44.688) 127.658,46.484 139.479,34.663 cw(c137.683,32.867) 140.223,32.867 140.223,7.909 cw(c137.683,7.909) 139.479,6.113 134.938,1.572
  Bottom Layer w0.5: v1(25.4,4.429) ZD1.2@25.4,5.826
  Bottom Layer w0.8: ZD1.2@25.4,5.826 QP1.1@27.178,8.8
NetQP2_1: QP2.1 U1-2.7 ZD2.2 | length 177.7
  Top Layer w0.254: v1(36.83,4.556) 37.61,3.776 ccw(c39.406,5.572) 39.406,3.032 48.021,3.032 cw(c48.021,0.539) 49.783,2.303 cw(c48.021,0.539) 49.784,2.302 49.943,2.143 ccw(c51.169,3.369) 51.169,1.635 72.455,1.635 cw(c72.455,1.29) 72.699,1.534 ccw(c72.943,1.778) 72.943,1.433 105.68,1.433 cw(c105.68,0.612) 106.261,1.193 ; 106.261,1.192 ccw(c106.842,1.773) 106.842,0.952 132.787,0.952 ccw(c132.787,2.502) 133.882,1.405 ; 133.883,1.406 134.337,1.86
  Top Layer w0.4: 110.544,46.339 ccw(c112.072,46.339) 110.991,45.259 111.321,44.929 ccw(c113.117,46.725) 113.117,44.185 128.124,44.185 cw(c128.124,41.645) 129.92,43.441 138.927,34.434 cw(c137.131,32.638) 139.671,32.638 139.671,8.246 cw(c137.131,8.246) 138.927,6.45 134.337,1.86 ; 110.555,46.339 cw(c111.325,46.339) 110.78,46.883 ; 110.78,46.883 110.835,46.938 ; 110.835,46.938 cw(c111.536,46.236) 111.536,47.228 U1-2.7@115.85,47.228
  Bottom Layer w0.5: v1(36.83,4.556) ZD2.2@36.83,5.191
  Bottom Layer w0.8: ZD2.2@36.83,5.191 QP2.1@38.82,8.8
NetQP3_1: QP3.1 U3-4.2 ZD3.2 | length 174.7
  Top Layer w0.254: v1(48.231,4.429) 49.798,2.862 ccw(c51.594,4.658) 51.594,2.118 72.517,2.118 cw(c72.517,1.703) 72.81,1.997 72.838,1.969 ccw(c73.152,2.283) 73.152,1.839 105.849,1.839 cw(c105.849,1.018) 106.429,1.599 ; 106.43,1.598 ccw(c107.01,2.179) 107.01,1.358 132.113,1.358 ccw(c132.113,3.107) 133.35,1.87 133.623,2.143
  Top Layer w0.4: U3-4.2@120.65,53.356 120.21,53.356 ccw(c120.21,50.816) 118.414,52.612 117.236,51.434 cw(c116.586,52.085) 116.586,51.165 112.939,51.165 ccw(c112.939,48.625) 111.143,50.421 110.736,50.014 ccw(c112.532,48.218) 109.992,48.218 109.992,46.266 ccw(c111.896,46.266) 110.55,44.92 111.107,44.362 ccw(c112.903,46.158) 112.628,43.633 127.895,43.633 cw(c127.895,41.093) 129.691,42.889 138.375,34.205 cw(c136.579,32.409) 139.119,32.409 139.119,8.707 cw(c136.579,8.707) 138.375,6.911 135.765,4.3 135.765,4.285 133.623,2.143
  Bottom Layer w0.5: v1(48.231,4.429) ZD3.2@48.231,5.191
  Bottom Layer w0.8: ZD3.2@48.231,5.191 QP3.1@50.461,8.8
NetQP4_1: QP4.1 U3-4.7 ZD4.2 | length 159.5
  Top Layer w0.254: v1(59.879,4.429) 61.04,3.268 ccw(c62.836,5.064) 62.836,2.524 72.66,2.524 cw(c72.66,2.048) 72.996,2.385 ; 72.997,2.384 ccw(c73.334,2.721) 73.334,2.245 106.045,2.245 cw(c106.045,1.492) 106.577,2.024 106.68,1.922 ccw(c107.061,2.303) 107.061,1.764 131.86,1.764 ccw(c131.86,3.183) 132.863,2.18 133.279,2.595
  Top Layer w0.4: 110.108,52.688 ccw(c111.72,51.075) 109.44,51.075 109.44,46.005 ccw(c111.28,46.005) 109.894,44.795 110.864,43.825 ccw(c112.66,45.621) 112.6,43.082 127.667,43.081 cw(c127.667,40.541) 129.463,42.337 137.823,33.977 cw(c136.027,32.181) 138.567,32.181 138.567,8.921 cw(c136.027,8.921) 137.976,7.292 133.279,2.595 ; 110.108,52.688 cw(c111.72,51.075) 111.72,53.356 U3-4.7@115.85,53.356
  Bottom Layer w0.5: v1(59.879,4.429) ZD4.2@59.879,5.191
  Bottom Layer w0.8: ZD4.2@59.879,5.191 QP4.1@62.103,8.8
NetQP5_1: QP5.1 U5-6.2 ZD5.2 | length 157.2
  Top Layer w0.254: v1(71.526,4.429) 72.56,3.395 ccw(c74.357,5.191) 74.357,2.651 106.185,2.651 cw(c106.185,1.83) 106.765,2.411 ccw(c107.354,2.999) 107.28,2.17 131.445,2.17 ccw(c131.445,3.687) 132.517,2.614 132.808,2.905
  Top Layer w0.4: U5-6.2@120.65,59.547 ccw(c120.65,57.044) 118.88,58.814 118.105,58.039 cw(c116.574,59.57) 116.574,57.405 110.614,57.405 ccw(c110.614,55.613) 110.543,57.404 ccw(c110.614,55.613) 109.347,56.88 ccw(c110.455,55.772) 108.888,55.772 108.888,45.84 ccw(c110.88,45.84) 109.39,44.518 110.635,43.273 ccw(c112.431,45.069) 112.431,42.529 127.438,42.529 cw(c127.438,39.989) 129.234,41.785 137.271,33.748 cw(c135.475,31.952) 138.015,31.952 138.015,9.164 cw(c135.475,9.164) 137.312,7.41 132.808,2.905
  Bottom Layer w0.5: v1(71.526,4.429) ZD5.2@71.526,5.191
  Bottom Layer w0.8: ZD5.2@71.526,5.191 QP5.1@73.745,8.8
NetQP6_1: QP6.1 U5-6.7 ZD6.2 | length 141.7
  Top Layer w0.254: v1(83.174,4.429) 83.725,3.878 ccw(c85.521,5.674) 85.521,3.134 106.299,3.134 cw(c106.299,2.368) 106.84,2.91 ccw(c107.646,3.715) 107.646,2.576 131.191,2.576 ccw(c131.191,3.801) 132.057,2.935 132.461,3.338
  Top Layer w0.4: U5-6.7@115.85,59.547 110.062,59.547 ccw(c110.062,57.821) 108.842,59.042 ccw(c110.062,57.821) 108.336,57.821 108.336,45.843 ccw(c110.876,45.843) 108.336,45.841 108.336,45.682 ccw(c110.487,45.682) 108.966,44.161 110.406,42.721 ccw(c112.202,44.517) 112.202,41.977 127.209,41.977 cw(c127.209,39.437) 129.006,41.233 136.719,33.52 cw(c134.923,31.723) 137.463,31.723 137.463,9.371 cw(c134.923,9.371) 136.903,7.781 132.461,3.338
  Bottom Layer w0.5: v1(83.174,4.429) ZD6.2@83.174,5.191
  Bottom Layer w0.8: ZD6.2@83.174,5.191 QP6.1@85.386,8.8
NetQP7_1: QP7.1 U7-8.2 ZD7.2 | length 138.9
  Top Layer w0.254: v1(94.822,4.429) 94.967,4.284 ccw(c96.763,6.08) 96.763,3.54 106.426,3.54 cw(c106.426,2.675) 107.037,3.287 ; 107.038,3.293 ccw(c107.788,4.042) 107.788,2.982 130.934,2.982 ccw(c130.934,3.924) 131.6,3.258
  Top Layer w0.4: U7-8.2@120.65,65.516 ccw(c120.65,63.063) 118.916,64.798 118.313,64.195 cw(c116.517,65.991) 116.517,63.451 109.784,63.451 ccw(c109.784,61.396) 108.331,62.849 ccw(c109.652,61.528) 107.784,61.528 107.784,45.615 ccw(c110.324,45.615) 108.528,43.819 110.178,42.169 ccw(c111.974,43.965) 111.974,41.425 126.981,41.425 cw(c126.981,38.885) 128.777,40.681 136.167,33.291 cw(c134.371,31.495) 136.911,31.495 136.911,9.621 cw(c134.371,9.621) 136.167,7.825 131.6,3.258
  Bottom Layer w0.5: v1(94.822,4.429) ZD7.2@94.822,5.191
  Bottom Layer w0.8: ZD7.2@94.822,5.191 QP7.1@97.028,8.8
NetQP8_1: QP8.1 U7-8.7 ZD8.2 | length 123.2
  Top Layer w0.254: v1(106.47,4.429) 106.767,4.132 ccw(c108.563,5.928) 108.563,3.388 130.607,3.388 ccw(c130.607,4.213) 131.191,3.63
  Top Layer w0.4: U7-8.7@115.85,65.516 109.43,65.516 ccw(c109.43,63.782) 108.204,65.008 107.976,64.78 ccw(c109.772,62.984) 107.232,63.02 ccw(c109.772,62.984) 107.232,62.984 107.232,45.386 ccw(c109.772,45.386) 107.976,43.59 109.949,41.617 ccw(c111.745,43.413) 111.745,40.873 126.752,40.873 cw(c126.752,38.333) 128.548,40.129 135.615,33.062 cw(c133.819,31.266) 136.359,31.266 136.359,9.85 cw(c133.819,9.85) 135.615,8.054 131.191,3.63
  Bottom Layer w0.5: v1(106.47,4.429) ZD8.2@106.47,5.191
  Bottom Layer w0.8: ZD8.2@106.47,5.191 QP8.1@108.67,8.8
NetQP9_1: QP9.1 U9-10.2 ZD9.2 | length 120.5
  Top Layer w0.254: v1(118.117,4.429) ccw(c119.65,5.962) 119.65,3.794 129.921,3.794 ccw(c129.921,5.327) 131.005,4.243 131.953,5.191
  Top Layer w0.4: U9-10.2@120.65,71.485 120.559,71.485 ccw(c120.559,68.945) 118.763,70.741 117.856,69.834 cw(c116.936,70.754) 116.936,69.453 109.102,69.453 ccw(c109.102,67.285) 107.569,68.818 107.385,68.634 ccw(c109.181,66.838) 106.641,66.838 106.641,65.047 106.68,65.008 106.68,45.142 ccw(c109.22,45.142) 107.266,43.519 109.72,41.065 ccw(c111.517,42.861) 111.517,40.321 126.524,40.321 cw(c126.524,37.781) 128.32,39.577 135.063,32.834 cw(c133.267,31.038) 135.807,31.038 135.807,10.078 cw(c133.267,10.078) 135.063,8.282 131.962,5.182
  Bottom Layer w0.5: v1(118.117,4.429) ZD9.2@118.117,5.191
  Bottom Layer w0.8: ZD9.2@118.117,5.191 QP9.1@120.311,8.8
NetQP10_1: QP10.1 U9-10.7 ZD10.2 | length 103.2
  Top Layer w0.4: U9-10.7@115.85,71.485 109.764,71.485 ccw(c109.764,68.945) 107.968,70.741 106.833,69.606 ccw(c108.629,67.81) 106.089,67.81 106.089,44.968 ccw(c108.629,44.968) 106.833,43.172 109.492,40.513 ccw(c111.288,42.309) 111.288,39.769 126.295,39.769 cw(c126.295,37.229) 128.091,39.025 134.511,32.605 cw(c132.715,30.809) 135.255,30.809 135.255,10.153 cw(c133.087,10.153) 134.621,8.621 cw(c133.087,10.153) 134.62,8.62 v1(131.191,5.191)
  Bottom Layer w0.5: ZD10.2@129.765,5.191 v1(131.191,5.191)
  Bottom Layer w0.8: ZD10.2@129.765,5.191 QP10.1@131.953,8.8
NetQP11_1: QP11.1 U11-12.2 ZD11.2 | length 179.3
  Top Layer w0.254: v1(32.004,125.079) cw(c33.537,125.079) 32.453,126.163 cw(c33.822,124.794) 33.822,126.73 42.9,126.73 ccw(c42.9,128.325) 43.061,126.738 ccw(c42.9,128.325) 44.028,127.197 cw(c45.72,125.506) 45.72,127.898 77.42,127.898 ccw(c77.42,129.892) 78.83,128.482 78.994,128.646 ; 78.995,128.646 cw(c80.009,127.631) 80.009,129.066 135.971,129.066 cw(c135.971,128.462) 136.353,128.93 cw(c135.971,128.462) 136.398,128.889 ; 118.469,80.988 cw(c120.055,79.403) 118.491,81.01 cw(c120.055,79.403) 118.524,81.041
  Top Layer w0.4: U11-12.2@115.85,79.232 117.243,79.232 ccw(c117.243,80.099) 117.856,79.486 ccw(c117.243,80.099) 118.11,80.099 118.11,80.121 cw(c119.336,80.121) 118.469,80.988 ; 118.524,81.041 cw(c119.982,79.583) 119.982,81.645 121.63,81.645 ccw(c121.63,84.185) 122.467,81.787 122.581,81.901 ccw(c120.806,83.677) 123.317,83.677 cw(c125.463,83.677) 123.946,85.195 142.512,103.761 ccw(c140.716,105.557) 143.256,105.557 143.256,121.015 ccw(c140.848,121.015) 142.551,122.718 141.732,123.536 137.903,127.365 136.398,128.889
  Bottom Layer w0.8: v1(32.004,125.079) 32.149,124.934 ccw(c33.945,126.73) 33.945,124.19 34.417,124.19 ; QP11.1@34.365,121.309 34.365,124.063 cw(c34.544,124.063) 34.417,124.19 ; ZD11.2@36.097,124.19 34.417,124.19
NetQP12_1: QP12.1 U11-12.7 ZD12.2 | length 182.1
  Top Layer w0.254: v1(31.115,125.333) 31.115,125.399 32.446,126.73 cw(c33.672,125.504) 33.672,127.238 42.268,127.238 ccw(c42.268,128.972) 43.495,127.746 ; 43.496,127.747 cw(c44.861,126.38) 44.686,128.304 cw(c44.861,126.38) 44.861,128.312 45.72,128.312 ; 45.72,128.304 77.252,128.304 ccw(c77.252,130.298) 78.662,128.888 78.917,129.143 ; 78.918,129.144 cw(c79.719,128.341) 79.633,129.472 cw(c79.719,128.341) 79.719,129.475 80.14,129.475 ; 80.14,129.472 136.313,129.472 cw(c136.313,127.915) 137.414,129.016
  Top Layer w0.4: U11-12.7@120.65,79.232 121.122,79.232 ccw(c121.122,81.772) 122.495,79.635 123.208,80.348 ccw(c121.412,82.144) 123.952,82.144 123.952,83.26 cw(c126.492,83.26) 124.696,85.056 143.147,103.507 ccw(c141.351,105.303) 143.891,105.303 143.891,121.487 ccw(c141.351,121.487) 143.147,123.283 137.414,129.016
  Bottom Layer w0.5: ZD12.2@24.286,124.19 25.019,124.19 25.019,124.683 cw(c25.669,124.683) 25.209,125.142 cw(c25.669,124.683) 25.669,125.333 v1(31.115,125.333)
  Bottom Layer w0.8: QP12.1@22.57,121.309 22.57,123.415 cw(c23.127,123.415) 22.733,123.809 cw(c23.653,122.889) 23.653,124.19 ZD12.2@24.286,124.19